# Altium PCB IFAT6.PcbDoc (part 5 of 5)
Units mil, origin at the board's own origin, x right, y up, seen from the top; angles counter-clockwise.
Board outline 8050 x 4300 mil, 6 copper layers (Top Digital, Digital, GND, Analog 1, Analog 2, Bottom Analog), stack 61.068 mil thick; 589 components, 259 nets, 1804 pads, 310 vias.
Unrouted connection lines stored in the file: 819.
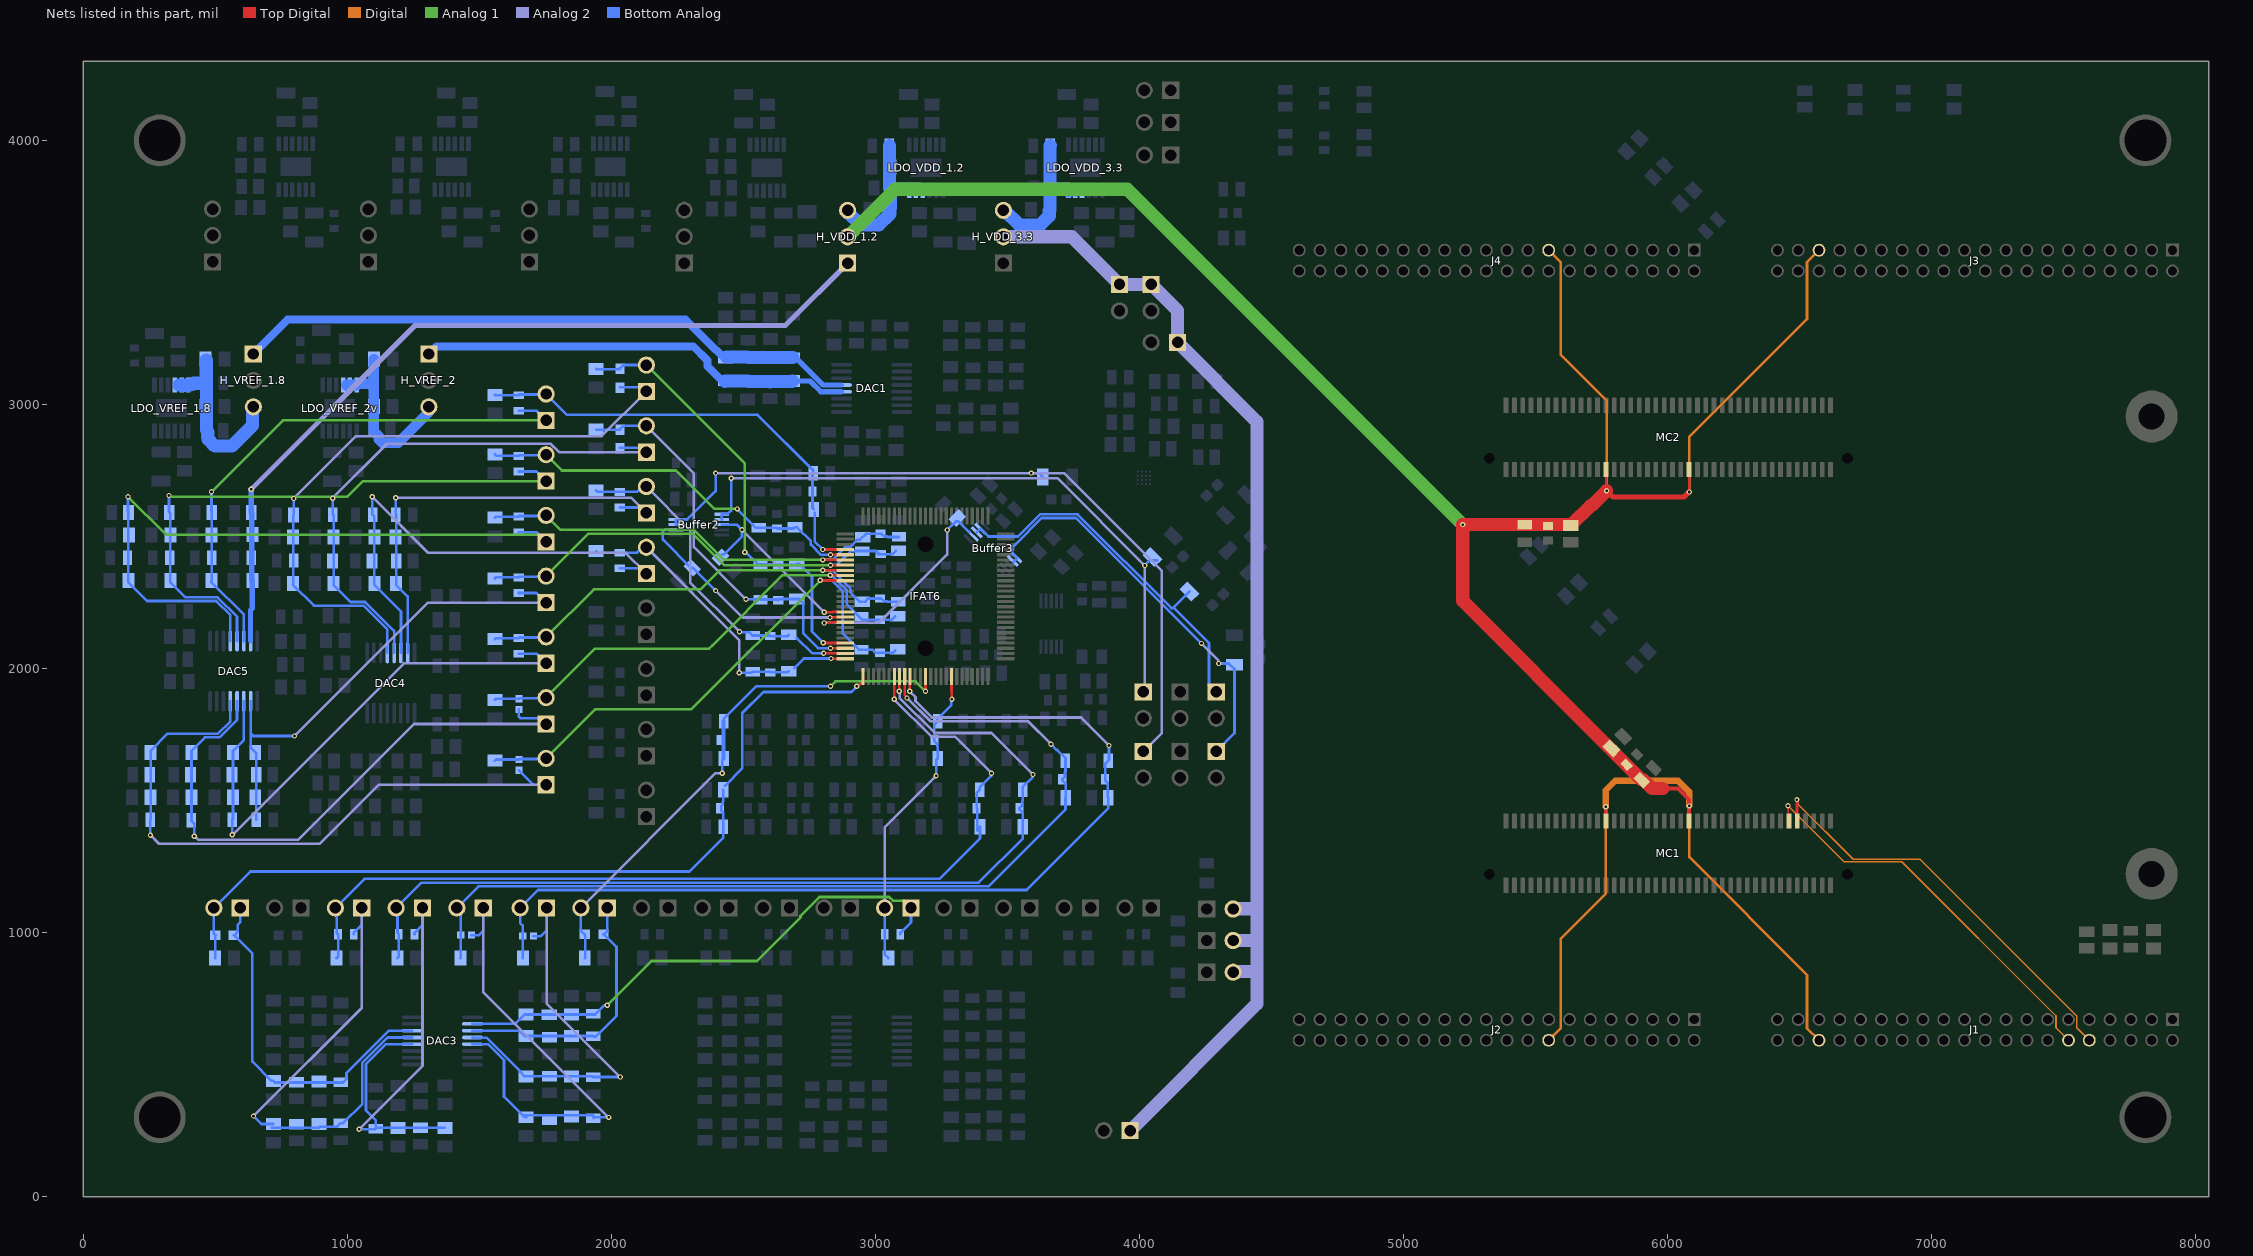
[diagram p9: the nets of this part, all layers, seen from the top]

## Via types
v1: diameter 20, hole 10, Top Digital to Digital, 100 vias
v2: diameter 20, hole 10, Top Digital to Bottom Analog, 81 vias
v3: diameter 20, hole 10, Analog 2 to Bottom Analog, 66 vias
v4: diameter 20, hole 10, Analog 1 to Bottom Analog, 34 vias
v5: diameter 50, hole 28, Top Digital to Bottom Analog, 26 vias
v6: diameter 8, hole 6, Analog 2 to Bottom Analog, 3 vias

## Nets (pads, with @x,y where several pads share a name; then routed paths per layer and width w, separated by ;. In a path a pad name is that pad's centre, name@x,y a point inside that pad or via, vN(x,y) a via of type N, cw(c..) or ccw(c..) an arc to the next point about the centre after c; other vN are vias at no path point) (continued)
V_U_PROBE2_BUFF: Buffer3.1 Buffer3.2 H_V_U2.1 R_ADC3.1 | length 1538.8
  Analog 2 w10: v3(4235,2095) 4298.79,2031.21 4298.79,2021.09 v3(4300.71,2019.18)
  Bottom Analog w10: Buffer3.2@3523.26,2403.26 3537.09,2417.09 3537.09,2419.66 3518.93,2437.83 3518.93,2458.93 3534.24,2474.24 3630,2570 3760,2570 v3(4235,2095) ; H_V_U2.1@4291.03,1686.15 4360,1755.12 4360,1997.24 4338.07,2019.18 v3(4300.71,2019.18)
V_U_PROBE3: Buffer2.3 IFAT6.66 R_V_U3.1 | length 734
  Top Digital w10: v2(2805.99,2212.96) 2837.03,2212.96 2838.39,2214.31 IFAT6.66@2885.87,2214.31
  Analog 2 w10: v3(2495,2525) 2495,2524.48 2805.99,2213.48 v2(2805.99,2212.96)
  Bottom Analog w10: Buffer2.3@2418.23,2544.68 2418.39,2544.84 2475.16,2544.84 v3(2495,2525) 2494.49,2524.49 2494.49,2500 2426.89,2432.4 R_V_U3.1@2420,2432.4
V_U_PROBE3_BUFF: Buffer2.1 Buffer2.2 H_V_U3.1 R_ADC4.1 | length 2426.6
  Analog 2 w10: v3(2454,2721) 3689,2721 v3(4020,2390) 4020,1923.87 H_V_U3.1@4007.52,1911.39
  Bottom Analog w10: Buffer2.2@2418.23,2564.37 Buffer2.1@2418.23,2584.06 2419.13,2584.96 2440.79,2584.96 2454,2598.17 v3(2454,2721) ; v3(4020,2390) 4038.88,2408.88 R_ADC4.1@4067.72,2408.88
VAMP_HIGH: C1_VAMP_HIGH.1 C2_VAMP_HIGH.2 C3_VAMP_HIGH.2 C_VAMP_HIGH.2 H_VAMP_HIGH.2 IFAT6.84 R_VAMP_HIGH.2 | length 3639.5
  Top Digital w10: IFAT6.84@3111.26,1969.23 3111.26,1899.81 3119.91,1891.16 v2(3119.91,1888.46)
  Analog 2 w10: v2(3119.91,1888.46) 3208.13,1800.23 3578.13,1800.23 v3(3665,1713.37)
  Bottom Analog w10: C_VAMP_HIGH.2@1428.36,903.37 1429.76,904.76 1429.76,988.6 R_VAMP_HIGH.2@1428.36,990 ; R_VAMP_HIGH.2@1429.76,990 1429.76,1063.73 1415,1078.49 H_VAMP_HIGH.2@1415,1093.37 1496.83,1175.19 3428.26,1175.19 3720,1466.93 C3_VAMP_HIGH.2@3720,1510.87 ; v3(3665,1713.37) 3686.7,1691.66 3688.65,1691.66 3720,1660.31 3720,1608.5 3718.35,1606.85 3718.35,1591.22 C2_VAMP_HIGH.2@3707.99,1580.87 3707.99,1576.73 3720.59,1564.13 C3_VAMP_HIGH.2@3720.59,1510.87
VAMP_HIGH_DAC: C1_VAMP_HI_DAC.1 C2_VAMP_HI_DAC.1 C3_VAMP_HI_DAC.1 C4_VAMP_HI_DAC.1 DAC3.13 H_VAMP_HIGH.1 R_VAMP_HIGH.1 | length 1849.1
  Analog 2 w10: H_VAMP_HIGH.1@1515,1093.37 1515,775 v3(1990,300)
  Bottom Analog w10: R_VAMP_HIGH.1@1470.24,990 1498.78,990 1515,1006.22 H_VAMP_HIGH.1@1515,1093.37 ; DAC3.13@1474.17,577.2 1533.43,577.2 1593.67,516.96 1593.67,378.4 1667.07,305 1672.97,305 C4_VAMP_HI_DAC.1@1677.46,300.52 ; C4_VAMP_HI_DAC.1@1671.55,308.36 1928.04,308.36 C3_VAMP_HI_DAC.1@1932.46,303.95 ; C3_VAMP_HI_DAC.1@1932.46,297.56 1934.89,300 v3(1990,300)
VAMP_LOW: C1_VAMP_LOW.1 C2_VAMP_LOW.2 C3_VAMP_LOW.2 C_VAMP_LOW.2 H_VAMP_LOW.2 IFAT6.85 R_VAMP_LOW.2 | length 3725.1
  Top Digital w10: v2(3130.26,1913.37) 3130.6,1913.71 3130.6,1962.12 IFAT6.85@3130.95,1962.46
  Analog 2 w10: v2(3130.26,1913.37) 3151.83,1891.79 3151.83,1876.33 3213.93,1814.23 3779.13,1814.23 v3(3885,1708.37)
  Bottom Analog w10: C_VAMP_LOW.2@1665,903.37 1664.52,903.85 1664.52,1026.62 1655,1036.14 H_VAMP_LOW.2@1655,1093.37 1722.83,1161.19 3572.83,1161.19 3882.66,1471.02 C3_VAMP_LOW.2@3882.66,1510.87 3880.41,1513.11 3880.41,1566.38 3870.06,1576.73 3870.06,1638.86 3885,1653.8 v3(3885,1708.37)
VAMP_LOW_DAC: C1_VAMP_LOW_DAC.1 C2_VAMP_LOW_DAC.1 C3_VAMP_LOW_DAC.1 C4_VAMP_LOW_DAC.1 DAC3.12 H_VAMP_LOW.1 R_VAMP_LOW.1 | length 1524.3
  Analog 2 w10: H_VAMP_LOW.1@1755,1093.37 1755,732.09 v3(2033.86,453.23)
  Bottom Analog w10: DAC3.12@1474.17,602.8 1474.9,602.07 1528.36,602.07 1653.91,476.52 1653.91,473.07 1671.55,455.43 1929.31,455.43 C3_VAMP_LOW_DAC.1@1932.46,452.28 1933.4,453.23 v3(2033.86,453.23) ; R_VAMP_LOW.1@1705,986.54 1733.54,986.54 1755,1008 H_VAMP_LOW.1@1755,1093.37
VBIAS: C1_VBIAS.1 C2_VBIAS.2 C3_VBIAS.2 C_VBIAS.2 H_VBIAS.2 IFAT6.74 R_VBIAS.1 | length 1301.1
  Top Digital w10: v2(2804.07,2058.12) 2804.72,2057.47 2885.22,2057.47 IFAT6.74@2885.87,2056.83
  Analog 2 w10: H_VBIAS.2@2132.79,2689.17 2298.61,2523.35 2298.61,2326.23 v3(2485.36,2139.48)
  Bottom Analog w10: C_VBIAS.2@1942.79,2674.61 1948.7,2668.7 2097.45,2668.7 2117.92,2689.17 H_VBIAS.2@2132.79,2689.17 ; v3(2485.36,2139.48) 2487.01,2137.83 2522.09,2137.83 C1_VBIAS.1@2535,2124.92 2599.94,2124.92 C2_VBIAS.2@2602.5,2122.36 2667.78,2122.36 C3_VBIAS.2@2672.5,2127.09 ; 2702.26,2116.41 2760.55,2058.12 v2(2804.07,2058.12)
VBIAS_DAC: C1_VBIAS_DAC.1 C2_VBIAS_DAC.1 C3_VBIAS_DAC.1 C4_VBIAS_DAC.1 DAC4.7 H_VBIAS.1 R_VBIAS.2 | length 1687.2
  Analog 2 w10: v3(1184.3,2646.83) 2075.14,2646.83 H_VBIAS.1@2132.79,2589.17
  Bottom Analog w10: v3(1184.3,2646.83) 1184.3,2582.67 C3_VBIAS_DAC.1@1184.13,2582.5 1185.16,2581.48 1185.16,2316.59 1228.98,2272.78 DAC4.7@1228.98,2059.17 ; R_VBIAS.2@2032.79,2609.65 2112.32,2609.65 H_VBIAS.1@2132.79,2589.17
VBIAS_SF: C1_VBIAS_SF.1 C2_VBIAS_SF.2 C3_VBIAS_SF.2 C_VBIAS_SF.2 H_VBIAS_SF.2 IFAT6.83 R_VBIAS_SF.1 | length 3653.7
  Top Digital w10: v2(3090.48,1913.37) 3091.03,1913.91 3091.03,1968.69 IFAT6.83@3091.57,1969.23
  Analog 2 w10: v2(3090.48,1913.37) 3092.4,1911.45 3092.4,1889.1 3225.93,1755.56 3439.94,1755.56 v3(3596.99,1598.52)
  Bottom Analog w10: C_VBIAS_SF.2@1189.57,903.37 1195.47,909.27 R_VBIAS_SF.1@1195.47,993.37 1190.24,998.6 1190.24,1088.13 H_VBIAS_SF.2@1185,1093.37 1280.83,1189.19 3390.71,1189.19 3558.44,1356.93 3558.44,1454.13 3545.84,1466.73 C2_VBIAS_SF.2@3545.84,1470.87 3556.2,1481.22 3556.2,1496.85 3557.85,1498.5 3557.85,1550.31 3595.08,1587.54 3595.08,1596.61 v3(3596.99,1598.52)
VBIAS_SF_DAC: C1_VBIAS_SF_DAC.1 C2_VBIAS_SF_DAC.1 C3_VBIAS_SF_DAC.1 C4_VBIAS_SF_DAC.1 DAC3.4 H_VBIAS_SF.1 R_VBIAS_SF.2 | length 1843.1
  Analog 2 w10: v3(1045,255) 1285,495 H_VBIAS_SF.1@1285,1093.37
  Bottom Analog w10: v3(1045,255) 1105.22,255 C3_VBIAS_SF_DAC.1@1107.5,257.28 ; DAC3.4@1245.83,577.2 1146.67,577.2 1071.14,501.67 1071.14,325.92 1107.5,289.56 C3_VBIAS_SF_DAC.1@1107.5,257.28 ; R_VBIAS_SF.2@1254.53,993.37 1254.53,998.29 1285,1028.76 H_VBIAS_SF.1@1285,1093.37 ; C4_VBIAS_SF_DAC.1@1370,260.43 1110.65,260.43 C3_VBIAS_SF_DAC.1@1107.5,257.28
VBIAS_UNITYBUFFER: C1_VBIAS_BUFF.1 C2_VBIAS_BUFF.2 C3_VBIAS_BUFF.2 C_VBIAS_BUFF.2 H_VBIAS_BUFF.2 IFAT6.82 R_VBIAS_BUFF.1 | length 3606.4
  Top Digital w10: v2(3071.08,1883.37) 3071.48,1883.77 3071.48,1968.83 IFAT6.82@3071.89,1969.23
  Analog 2 w10: v2(3071.08,1883.37) 3212.88,1741.56 3301.8,1741.56 v3(3440,1603.37)
  Bottom Analog w10: C_VBIAS_BUFF.2@959.57,903.37 965.47,909.27 R_VBIAS_BUFF.1@965.47,993.37 960.24,998.6 960.24,1088.13 H_VBIAS_BUFF.2@955,1093.37 1064.83,1203.19 3242.64,1203.19 3396.38,1356.93 C3_VBIAS_BUFF.2@3396.38,1400.87 ; C3_VBIAS_BUFF.2@3389.34,1384.97 3385.77,1388.53 3385.77,1468.87 C2_VBIAS_BUFF.2@3383.78,1470.87 3383.78,1528.86 C1_VBIAS_BUFF.1@3395.78,1540.87 3395.78,1550.31 3438.09,1592.62 3438.09,1601.45 v3(3440,1603.37)
VBIAS_UNITYBUFFER_DAC: C1_VB_BUFF_DAC.1 C2_VB_BUFF_DAC.1 C3_VB_BUFF_DAC.1 C4_VB_BUFF_DAC.1 DAC3.5 H_VBIAS_BUFF.1 R_VBIAS_BUFF.2 | length 1923.3
  Analog 2 w10: v3(645,305) 1055,715 H_VBIAS_BUFF.1@1055,1093.37
  Bottom Analog w10: v3(645,305) 675,275 720.01,275 C4_VB_BUFF_DAC.1@720.09,274.93 ; C4_VB_BUFF_DAC.1@714.18,261.24 892.55,261.24 896.55,265.24 962.18,265.24 C3_VB_BUFF_DAC.1@975.09,278.15 984.54,278.15 1057.14,350.75 1057.14,507.47 1152.46,602.8 DAC3.5@1245.83,602.8 ; R_VBIAS_BUFF.2@1024.53,993.37 1024.53,998.29 1055,1028.76 H_VBIAS_BUFF.1@1055,1093.37
VBP: C1_VBP.1 C2_VBP.2 C3_VBP.2 C_VBP.2 H_VBP.2 IFAT6.56 R_VBP.1 | length 1734.3
  Top Digital w10: v2(2801.06,2411.27) 2801.11,2411.22 IFAT6.56@2885.87,2411.16
  Analog 1 w10: H_VBP.2@1753.36,2579.65 1808.1,2524.9 2313.72,2524.9 2427.35,2411.27 v2(2801.06,2411.27)
  Bottom Analog w10: C_VBP.2@1559.27,2571.09 1563.37,2575.18 R_VBP.1@1649.27,2575.18 1651.51,2577.42 1751.12,2577.42 H_VBP.2@1753.36,2579.65 ; v2(2801.06,2411.27) 2837.52,2411.27 2885.15,2458.9 2904.53,2458.9 2933.33,2487.7 2942.18,2487.7 2964.62,2510.13 3023.65,2510.13 3034.01,2499.78 3045.51,2499.78 3047.16,2498.12 C1_VBP.1@3089.52,2498.12
VBP_DAC: C1_VBP_DAC.1 C2_VBP_DAC.1 C3_VBP_DAC.1 C4_VBP_DAC.1 DAC5.4 H_VBP.1 R_VBP.2 | length 2632.9
  Analog 1 w10: v4(170,2650) 312.87,2507.13 1725.88,2507.13 H_VBP.1@1753.36,2479.65
  Bottom Analog w10: v4(170,2650) 170,2592.42 C1_VBP_DAC.1@171.5,2590.93 171.1,2590.53 171.1,2326.59 242.13,2255.56 503.81,2255.56 557.2,2202.17 DAC5.4@557.2,2104.17 ; R_VBP.2@1649.27,2516.13 1716.88,2516.13 H_VBP.1@1753.36,2479.65
VCCO_MC1: C1_C_VCCO1_FPGA.1 C1_C_VCCO2_FPGA.1 C2_C_VCCO1_FPGA.2 C2_C_VCCO2_FPGA.2 C3_C_VCCO1_FPGA.2 C3_C_VCCO2_FPGA.2 H_VDD_1.2.2 J1.36 J2.16 J3.35 J4.15 MC1.36 MC1.56 MC2.35 MC2.55 | length 10229.1
  Top Digital w10: MC2.55@5766.72,2753.99 5768.03,2752.68 5768.03,2674.42 v1@5769.35,2673.1 ; MC2.35@6081.68,2753.99 6081.82,2753.85 6081.82,2668.66 v1(6081.96,2668.51)
  Top Digital w15: v1(5765.96,1476.81) 5766.34,1476.43 MC1.56@5766.34,1423.7 ; 5982.56,1545 6039.37,1545 6081.45,1502.92 6081.45,1480.51 v1(6082.41,1479.56) ; MC1.36@6082.04,1422.18 v1@6082.04,1477.31
  Top Digital w20: v1(5769.35,2673.34) 5793.35,2649.34 6062.79,2649.34 v1(6081.96,2668.51)
  Top Digital w50: C1_C_VCCO2_FPGA.1@5457.64,2545 v2(5224.25,2545) 5224.25,2255.75 C3_C_VCCO1_FPGA.2@5779.72,1700.28 ; C1_C_VCCO2_FPGA.1@5462.36,2545 C3_C_VCCO2_FPGA.2@5629.85,2545 ; C3_C_VCCO2_FPGA.2@5637.72,2546.28 5708.43,2616.99 5713,2616.99 v1(5769.35,2673.34) ; C3_C_VCCO1_FPGA.2@5787.78,1692.22 C1_C_VCCO1_FPGA.1@5900.83,1579.17 ; C1_C_VCCO1_FPGA.1@5907.51,1579.17 5941.68,1545 5982.56,1545
  Analog 1 w50: H_VDD_1.2.2@2895,3635 3075,3815 3760.15,3815 3954.25,3815 v2(5224.25,2545)
  Digital w10: J2.16@5550.06,592.14 5595.41,637.49 5595.41,975.77 5765.96,1146.32 v1@5765.96,1472.81 ; J4.15@5550.06,3584.27 5595.41,3538.92 5595.41,3189.2 5769.35,3015.27 v1@5769.35,2673.1 ; v1@6082.41,1474.94 6082.41,1285.38 6528.33,839.46 6528.33,637.49 6571.52,594.31 J1.36@6574.13,594.31 ; v1@6083.87,2667.02 6081.96,2668.94 6081.96,2876.64 6528.33,3323.01 6528.33,3538.92 J3.35@6573.68,3584.27
  Digital w25: v1(5765.96,1476.81) 5765.96,1538.74 5802.22,1575 6040,1575 6082.41,1532.59 v1(6082.41,1479.56)
VDD3.3: H_PWR_ADC.1 H_PWR_BUFF.1 H_PWR_DAC1.1 H_PWR_DAC.1 H_SHDN1.2 H_SHDN2.2 H_SHDN3.2 H_VDD_3.3.2 | length 4480
  Analog 2 w50: H_VDD_3.3.2@3485,3635 3743.98,3635 H_PWR_BUFF.1@3924.52,3454.46 H_PWR_ADC.1@4044.52,3454.46 4144.52,3354.46 H_PWR_DAC1.1@4144.52,3235 4445,2934.52 4445,1090 ; H_PWR_DAC.1@3965,250 4445,730 4445,865 ; H_SHDN1.2@4355.05,849.83 4357.91,852.69 4432.69,852.69 4445,865 ; H_SHDN3.2@4355.05,969.83 4355.22,970 4445,970 ; H_SHDN2.2@4355.05,1089.13 4355.91,1090 4445,1090 ; 4445,865 4445,970 ; 4445,970 4445,1090
VDD_1.2_DAC: C1_VDD_1.2_DAC.1 C2_VDD_1.2_DAC.1 C3_VDD_1.2_DAC.1 C4_VDD_1.2_DAC.1 DAC5.7 H_VDD_1.2.1 | length 3204.8
  Analog 2 w20: v3(636.38,2679) 1256.38,3299 2659,3299 H_VDD_1.2.1@2903.53,3543.52
  Bottom Analog w20: DAC5.7@633.98,2104.17 633.98,2220.52 640.43,2226.98 C4_VDD_1.2_DAC.1@640.43,2332.5 638.86,2334.07 638.86,2418.68 638.46,2419.07 638.86,2419.47 638.86,2507.11 638.46,2507.5 638.46,2588.96 C1_VDD_1.2_DAC.1@636.5,2590.93 636.5,2678.88 v3(636.38,2679)
VDD_1.2_LDO: C1_U_Capx45.1 C2_U_Capx45.1 C3_U_Capx45.1 C4_U_Capx45.1 H_VDD_1.2.3 LDO_VDD_1.2.10 LDO_VDD_1.2.11 LDO_VDD_1.2.12 | length 562.2
  Bottom Analog w50: H_VDD_1.2.3@2895,3735.45 2897.86,3732.58 2897.86,3726.06 2943.96,3679.96 3013.26,3679.96 3054.32,3721.02 C4_U_Capx45.1@3054.32,3736.71 ; C1_U_Capx45.1@3053.53,3819.32 C3_U_Capx45.1@3053.53,3980.26 ; C4_U_Capx45.1@3057.22,3743.8 C1_U_Capx45.1@3057.22,3815.38 ; C1_U_Capx45.1@3057.75,3819.32 3061.68,3815.38 3166.07,3815.38 3166.68,3814.76
VDD_3.3_LDO: C1_U_Capx46.1 C2_U_Capx46.1 C3_U_Capx46.1 C4_U_Capx46.1 H_VDD_3.3.3 LDO_VDD_3.3.10 LDO_VDD_3.3.11 LDO_VDD_3.3.12 | length 566.9
  Bottom Analog w50: H_VDD_3.3.3@3485,3735 3489.05,3735 3544.09,3679.96 3624.73,3679.96 3658.59,3713.81 C4_U_Capx46.1@3658.59,3733.96 ; C4_U_Capx46.1@3661.93,3737.29 C2_U_Capx46.1@3661.93,3899.76 ; C2_U_Capx46.1@3661.98,3903.31 3661.98,3979.33 C3_U_Capx46.1@3662.9,3980.26 ; C1_U_Capx46.1@3663.61,3819.32 3667.55,3815.38 LDO_VDD_3.3.12@3731.64,3815.38 ; LDO_VDD_3.3.12@3731.64,3809.4 3734.69,3812.45 LDO_VDD_3.3.11@3757.23,3812.45
VINPUT_CURRENT_BIAS: C1_VIN_IBIAS.1 C2_VIN_IBIAS.2 C3_VIN_IBIAS.2 C_VIN_IBIAS.2 H_VIN_IBIAS.2 IFAT6.58 R_VIN_IBIAS.1 | length 1776.5
  Top Digital w10: v2(2801.06,2371.9) 2801.11,2371.85 IFAT6.58@2885.87,2371.79
  Analog 1 w10: H_VIN_IBIAS.2@1753.36,2119.65 1933.71,2300 2337.51,2300 2409.41,2371.9 v2(2801.06,2371.9)
  Bottom Analog w10: C_VIN_IBIAS.2@1559.27,2111.09 1563.37,2115.18 R_VIN_IBIAS.1@1649.27,2115.18 1651.51,2117.42 H_VIN_IBIAS.2@1751.12,2117.42 ; v2(2801.06,2371.9) 2837.08,2371.9 2905.14,2303.84 2905.14,2288.64 2941.14,2252.64 C3_VIN_IBIAS.2@2950,2252.64 ; C3_VIN_IBIAS.2@2960,2252.64 2972.6,2265.24 3021.63,2265.24 3031.99,2254.88 3043.48,2254.88 3045.14,2253.23 C1_VIN_IBIAS.1@3087.5,2253.23
VINPUT_CURRENT_BIAS_DAC: C1_IN_IBIAS_DAC.1 C2_IN_IBIAS_DAC.1 C3_IN_IBIAS_DAC.1 C4_IN_IBIAS_DAC.1 DAC5.11 H_VIN_IBIAS.1 R_VIN_IBIAS.2 | length 2101
  Analog 2 w10: v3(565,1370) 1214.65,2019.65 H_VIN_IBIAS.1@1753.36,2019.65
  Bottom Analog w10: v3(565,1370) 565,1426.73 C3_IN_IBIAS_DAC.1@564.28,1427.46 567.43,1430.61 567.43,1688.36 608.39,1729.32 DAC5.11@608.39,1875.83 ; R_VIN_IBIAS.2@1649.27,2056.13 1716.88,2056.13 H_VIN_IBIAS.1@1753.36,2019.65
VMEM_DISTAL_PROBE: Buffer3.7 IFAT6.68 R_VM_DISTAL.1 | length 859.5
  Top Digital w10: v2(2805.99,2172.32) 2806.57,2172.89 2835.39,2172.89 2837.44,2174.94 IFAT6.68@2885.87,2174.94
  Analog 2 w10: v2(2805.99,2172.32) 2806.57,2172.89 3012.89,2172.89 3271.94,2431.94 3271.94,2520.87 v3@3273.86,2522.78
  Bottom Analog w10: v3(3271.94,2524.43) 3304.85,2557.33 3314.62,2557.33 Buffer3.7@3354.99,2516.97
VMEM_DISTAL_PROBE_BUFF: Buffer3.8 Buffer3.9 H_VM_DISTAL.1 R_ADC5.2 | length 1423.8
  Bottom Analog w10: Buffer3.8@3383.91,2515.89 Buffer3.9@3397.83,2529.8 3427.92,2499.71 3539.91,2499.71 3624.2,2584 3765.8,2584 4120.9,2228.9 4130.9,2228.9 ; R_ADC5.2@4189.47,2291.54 4130.9,2232.97 4130.9,2228.9 ; H_VM_DISTAL.1@4295.17,1907.24 4263.55,1938.87 4263.55,2096.25 4130.9,2228.9
VMEM_PROXIMAL_PROBE: Buffer2.7 IFAT6.67 R_VM_PROXIMAL.1 | length 896.5
  Top Digital w10: v2(2828.54,2192.92) 2829.4,2193.77 2885.01,2193.77 IFAT6.67@2885.87,2194.63
  Analog 2 w10: v3(2395,2295) 2497.08,2192.92 v2(2828.54,2192.92)
  Bottom Analog w10: Buffer2.7@2245,2525 2201.76,2525 2195,2518.24 2195,2488.13 2301.68,2381.45 R_VM_PROXIMAL.1@2306.45,2381.45 ; R_VM_PROXIMAL.1@2306.45,2380.82 2309.18,2380.82 v3(2395,2295)
VMEM_PROXIMAL_PROBE_BUFF: Buffer2.8 Buffer2.9 H_VM_PROXIMAL.1 R_ADC6.2 | length 2888.7
  Analog 2 w10: v3(2395,2740) 3715,2740 4085,2370 4085,1756.36 H_VM_PROXIMAL.1@4014.79,1686.15
  Bottom Analog w10: Buffer2.8@2245,2544.68 Buffer2.9@2245,2564.37 2287.56,2564.37 2395,2671.81 v3(2395,2740) ; v3(3590,2740) 3618.9,2740 R_ADC6.2@3633.9,2725
VPDN: C1_VPDN.1 C2_VPDN.2 C3_VPDN.2 C_VPDN.2 H_VPDN.2 IFAT6.75 R_VPDN.1 | length 1221.7
  Top Digital w10: v2(2832.06,2037.83) 2832.4,2037.49 2885.52,2037.49 IFAT6.75@2885.87,2037.15
  Analog 2 w10: H_VPDN.2@2132.79,2459.17 2485.03,2106.93 v3(2485.03,1983.88)
  Bottom Analog w10: C_VPDN.2@1942.79,2444.61 1948.7,2438.7 2097.45,2438.7 2117.92,2459.17 H_VPDN.2@2132.79,2459.17 ; v3(2485.03,1983.88) 2531.1,1983.88 C1_VPDN.1@2535.03,1987.82 2599.97,1987.82 C2_VPDN.2@2602.53,1985.26 2667.81,1985.26 C3_VPDN.2@2672.53,1989.98 ; C3_VPDN.2@2693.49,2002.09 2729.24,2037.83 v2(2832.06,2037.83)
VPDN_DAC: C1_VPDN_DAC.1 C2_VPDN_DAC.1 C3_VPDN_DAC.1 C4_VPDN_DAC.1 DAC4.6 H_VPDN.1 R_VPDN.2 | length 1902.5
  Analog 2 w10: v3(1095,2650) 1306.83,2438.17 2053.8,2438.17 H_VPDN.1@2132.79,2359.17
  Bottom Analog w10: v3(1095,2650) 1095,2583.37 1102.64,2575.73 1102.64,2316.59 1203.39,2215.85 DAC4.6@1203.39,2059.17 ; R_VPDN.2@2032.79,2379.65 2112.32,2379.65 H_VPDN.1@2132.79,2359.17
Vpup_arb: C1_VpupArb.1 C2_VpupArb.2 C3_VpupArb.2 C_Vpup_arb.2 H_Vpup_arb.2 IFAT6.54 R_Vpup_arb.1 | length 1715.7
  Top Digital w10: v2(2801.06,2450.64) v2(2801.06,2450.64) IFAT6.54@2885.92,2450.59
  Bottom Analog w10: C_Vpup_arb.2@1559.27,3036.52 1560.61,3035.18 R_Vpup_arb.1@1649.27,3035.18 1651.51,3037.42 1751.12,3037.42 H_Vpup_arb.2@1753.36,3039.65 1832.35,2960.66 2553.64,2960.66 2764.84,2749.45 C1_VpupArb.1@2764.84,2740 2762.28,2737.44 2762.28,2607.22 C3_VpupArb.2@2767.01,2602.5 ; C3_VpupArb.2@2770,2590.41 2770,2481.7 v2(2801.06,2450.64)
Vpup_arb_DAC: C1_Vpup_arb_DAC.1 C2_Vpup_arb_DAC.1 C3_Vpup_arb_DAC.1 C4_Vpup_arb_DAC.1 DAC5.6 H_Vpup_arb.1 R_Vpup_arb.2 | length 2114.1
  Analog 1 w10: v4(486.02,2669) 756.67,2939.65 H_Vpup_arb.1@1753.36,2939.65
  Bottom Analog w10: v4(486.02,2669) 486.02,2591.4 C1_Vpup_arb_DAC.1@486.5,2590.93 ; C1_Vpup_arb_DAC.1@486.5,2590 486.5,2333.56 C4_Vpup_arb_DAC.1@485.43,2332.5 485.43,2326.59 608.39,2203.64 DAC5.6@608.39,2104.17 ; R_Vpup_arb.2@1649.27,2976.13 1716.88,2976.13 H_Vpup_arb.1@1753.36,2939.65
VpupReq: C1_VpupReq.1 C2_VpupReq.2 C3_VpupReq.2 C_VpupReq.2 H_VpupReq.2 IFAT6.55 R_VpupReq.1 | length 1497.6
  Top Digital w10: v2(2830.11,2430.74) 2830.17,2430.79 2885.81,2430.79 IFAT6.55@2885.87,2430.85
  Analog 1 w10: H_VpupReq.2@1753.36,2809.65 1813,2750 2244.8,2750 2390.42,2604.38 v4(2476.72,2604.38)
  Bottom Analog w10: C_VpupReq.2@1559.27,2811.09 1565.18,2805.18 R_VpupReq.1@1649.27,2805.18 1651.51,2807.42 1751.12,2807.42 H_VpupReq.2@1753.36,2809.65 ; v4(2476.72,2604.38) 2476.72,2604.2 2548.42,2532.5 2625.31,2532.5 C2_VpupReq.2@2627.87,2529.94 ; C2_VpupReq.2@2630.43,2529.94 2690.65,2529.94 C3_VpupReq.2@2695.37,2534.67 2704.23,2534.67 2756,2482.9 2756,2468.83 2794.09,2430.74 v2(2830.11,2430.74)
VpupReq_DAC: C1_VpupReq_DAC.1 C2_VpupReq_DAC.1 C3_VpupReq_DAC.1 C4_VpupReq_DAC.1 DAC5.5 H_VpupReq.1 R_VpupReq.2 | length 2303.5
  Analog 1 w10: v4(325,2655) 327.71,2655 332.71,2650 999.47,2650 1059.12,2709.65 H_VpupReq.1@1753.36,2709.65
  Bottom Analog w10: v4(325,2655) 325,2592.42 330.43,2586.99 330.43,2326.59 387.46,2269.56 509.61,2269.56 582.8,2196.38 DAC5.5@582.8,2104.17 ; R_VpupReq.2@1649.27,2746.13 1716.88,2746.13 H_VpupReq.1@1753.36,2709.65
VREF_1.8_DAC: C1_VREF_1.8_DAC.1 C2_VREF_1.8_DAC.1 C3_VREF_1.8_DAC.1 C4_VREF_1.8_DAC.1 DAC1.5 H_VREF_1.8.1 | length 2371.4
  Bottom Analog w20: C3_VREF_1.8_DAC.1@2687.5,3178.32 2697.17,3178.32 2801.91,3073.58 DAC1.5@2871.85,3073.58
  Bottom Analog w30: H_VREF_1.8.1@644.37,3191.01 774.26,3320.89 2281.2,3320.89 2396.09,3206 2397.37,3206 2418.96,3184.41 2424.86,3184.41 C4_VREF_1.8_DAC.1@2432.5,3176.77
  Bottom Analog w50: C4_VREF_1.8_DAC.1@2436.04,3179.13 C1_VREF_1.8_DAC.1@2513.56,3179.13 ; C1_VREF_1.8_DAC.1@2519.89,3178.32 C2_VREF_1.8_DAC.1@2600.95,3178.32 ; C2_VREF_1.8_DAC.1@2604.05,3178.32 C3_VREF_1.8_DAC.1@2687.5,3178.32
VREF_1.8_LDO: C1_U_Capx47.1 C2_U_Capx47.1 C3_U_Capx47.1 C4_U_Capx47.1 H_VREF_1.8.3 LDO_VREF_1.8.10 LDO_VREF_1.8.11 LDO_VREF_1.8.12 | length 646.8
  Bottom Analog w50: 362.46,3073.09 LDO_VREF_1.8.11@372.76,3073.09 ; LDO_VREF_1.8.11@372.81,3073.03 LDO_VREF_1.8.12@398.29,3073.03 ; 414.49,3076.14 418.42,3080.08 C3_U_Capx47.1@458.62,3080.08 ; C3_U_Capx47.1@465.78,3084.8 C4_U_Capx47.1@465.78,3167.95 ; C1_U_Capx47.1@466.87,2903.94 C2_U_Capx47.1@466.87,2989.51 ; C2_U_Capx47.1@466.87,2995.37 C3_U_Capx47.1@466.87,3081.28 ; C1_U_Capx47.1@472.8,2896.06 472.8,2868.04 498.78,2842.06 562.96,2842.06 641.51,2920.61 641.51,2987.12 H_VREF_1.8.3@644.37,2989.99
VREF_2_DAC: C1_VREF_2_DAC.1 C2_VREF_2_DAC.1 C3_VREF_2_DAC.1 C4_VREF_2_DAC.1 DAC1.4 H_VREF_2.1 | length 1662.6
  Bottom Analog w20: C4_VREF_2_DAC.1@2685.67,3089.15 2752.4,3089.15 2793.56,3047.99 DAC1.4@2871.85,3047.99
  Bottom Analog w30: H_VREF_2.1@1309.08,3191.01 1338.08,3220 2310.44,3220 2364.37,3166.07 2364.37,3144.66 2418.31,3090.72 2427.76,3090.72 C3_VREF_2_DAC.1@2430.67,3087.81
  Bottom Analog w50: C3_VREF_2_DAC.1@2430.67,3087.81 2431.34,3088.48 2515,3088.48 C2_VREF_2_DAC.1@2515.67,3089.15 2517.42,3087.4 2598.92,3087.4 C1_VREF_2_DAC.1@2600.67,3085.64 2602.42,3087.4 2683.92,3087.4 C4_VREF_2_DAC.1@2685.67,3089.15
VREF_2_LDO: C1_U_Capx48.1 C2_U_Capx48.1 C3_U_Capx48.1 C4_U_Capx48.1 H_VREF_2.3 LDO_VREF_2v.10 LDO_VREF_2v.11 LDO_VREF_2v.12 | length 658.3
  Bottom Analog w40: 996.58,3073.58 LDO_VREF_2v.12@1035.56,3073.58 ; 1046.7,3077.77 C3_U_Capx48.1@1096.9,3077.77 ; C3_U_Capx48.1@1098.99,3082.44 1100.28,3083.74 1100.28,3170.2 C4_U_Capx48.1@1101.58,3171.5 ; C3_U_Capx48.1@1099.91,3075.08 1099.91,2992.58 1099.85,2992.52 1099.85,2907.52 C1_U_Capx48.1@1099.77,2907.44 1099.85,2907.36 1099.85,2898.5 1118.69,2879.67 1118.69,2868.56 1132.75,2854.5 1192.79,2854.5 1304.3,2966.02 1304.3,2986.23 H_VREF_2.3@1309.08,2991.01
VREFR: C1_VREFR.1 C2_VREFR.2 C3_VREFR.2 C_VREFR.2 H_VEFR.2 IFAT6.93 R_VREFR.1 | length 1188.6
  Top Digital w10: IFAT6.93@3288.43,1969.23 3288.43,1915.66 3290,1914.08 v2(3290,1883.37)
  Analog 2 w10: H_VEFR.2@3035,1093.37 3035,1398.37 v3(3230,1593.37)
  Bottom Analog w10: H_VEFR.2@3035,1093.37 3035.24,1093.13 3035.24,993.6 R_VREFR.1@3035.47,993.37 3035.47,917.46 C_VREFR.2@3049.57,903.37 ; v3(3230,1593.37) 3230,1653.26 C3_VREFR.2@3236.17,1659.43 3236.17,1703.37 3233.92,1705.61 3233.92,1714.94 3223.57,1725.3 3223.57,1787.42 C1_VREFR.1@3235.58,1799.43 3235.58,1808.88 3288.09,1861.39 3288.09,1881.45 v2(3290,1883.37)
VREFR_DAC: C1_VREFR_DAC.1 C2_VREFR_DAC.1 C3_VREFR_DAC.1 C4_VREFR_DAC.1 DAC3.10 H_VEFR.1 R_VREFR.2 | length 1997.7
  Analog 1 w10: v4(1985,725) 2152.04,892.04 2551.36,892.04 2716.48,1057.16 2716.48,1063.51 2787.82,1134.85 3052.18,1134.85 3066.18,1120.85 3107.52,1120.85 H_VEFR.1@3135,1093.37
  Bottom Analog w10: DAC3.10@1474.17,653.98 1636.03,653.98 1671.55,689.5 1938.67,689.5 1972.26,723.09 1983.09,723.09 v4(1985,725) ; R_VREFR.2@3094.53,993.37 3094.53,998.29 3135,1038.76 H_VEFR.1@3135,1093.37
VRESET: C1_VRESET.1 C2_VRESET.2 C3_VRESET.2 C_VRESET.2 H_VRESET.2 IFAT6.73 R_VRESET.2 | length 1534.2
  Top Digital w10: v2(2830,2076.47) IFAT6.73@2885.85,2076.49
  Analog 2 w10: H_VRESET.2@2132.79,2919.17 2312.61,2739.35 2312.61,2459.56 v3(2510.23,2261.94)
  Bottom Analog w10: C_VRESET.2@1942.79,2904.61 R_VRESET.2@2032.79,2904.61 2032.79,2906.46 2045.51,2919.17 H_VRESET.2@2132.79,2919.17 ; v3(2510.23,2261.94) 2564.14,2261.94 C1_VRESET.1@2565,2261.08 2629.94,2261.08 C2_VRESET.2@2632.5,2258.52 2637.22,2263.25 2711.36,2263.25 2726.44,2248.17 2726.44,2133.56 2782.88,2077.12 2829.36,2077.12 v2(2830,2076.47)
VRESET_DAC: C1_VRESET_DAC.1 C2_VRESET_DAC.1 C3_VRESET_DAC.1 C4_VRESET_DAC.1 DAC4.5 H_VRESET.1 R_VRESET.1 | length 2107.5
  Analog 2 w10: v3(945,2645) 1151.13,2851.13 1770.54,2851.13 1802.49,2819.17 H_VRESET.1@2132.79,2819.17
  Bottom Analog w10: v3(945,2645) 945,2582.72 948.37,2579.35 948.37,2316.59 1013.02,2251.94 1067.62,2251.94 1177.8,2141.76 DAC4.5@1177.8,2059.17 ; R_VRESET.1@2032.79,2835.71 2116.26,2835.71 H_VRESET.1@2132.79,2819.17
VSPIKE: C1_VSPIKE.1 C2_VSPIKE.2 C3_VSPIKE.2 C_VSPIKE.2 H_VSPIKE.2 IFAT6.76 R_VSPIKE.2 | length 3253
  Top Digital w10: v2(2930,1932.37) 2932.71,1932.37 2942.09,1941.75 2952.87,1941.75 2953.78,1942.66 IFAT6.76@2953.78,1969.23
  Bottom Analog w10: C_VSPIKE.2@499.57,903.37 499.57,987.75 501.54,989.72 495,996.25 H_VSPIKE.2@495,1093.37 632.83,1231.19 2296.08,1231.19 2423.39,1358.5 2423.39,1454.72 2416.56,1461.55 2416.56,1480.18 2421.74,1485.35 2421.74,1494.68 2423.98,1496.93 C3_VSPIKE.2@2423.98,1540.87 ; C3_VSPIKE.2@2430,1555.74 2495.83,1621.57 2495.83,1830.52 2576.48,1911.17 2908.8,1911.17 v2(2930,1932.37)
VSPIKE_DAC: C1_VSPIKE_DAC.1 C2_VSPIKE_DAC.1 C3_VSPIKE_DAC.1 C4_VSPIKE_DAC.1 DAC3.6 H_VSPIKE.1 R_VSPIKE.1 | length 1353.7
  Bottom Analog w10: R_VSPIKE.1@570.43,989.72 R_VSPIKE.1@572.4,989.72 ; H_VSPIKE.1@595,1093.37 595,1039.1 585.12,1029.22 585.12,1002.43 R_VSPIKE.1@572.4,989.72 ; DAC3.6@1245.83,628.39 1158.26,628.39 997.45,467.58 997.45,445.2 984.54,432.28 725.99,432.28 C4_VSPIKE_DAC.1@720.04,438.23 714.14,438.23 640.81,511.56 640.81,921.31 R_VSPIKE.1@572.4,989.72
VSS_SYN_DAC: C1_VSS_SYN_DAC.1 C2_VSS_SYN_DAC.1 C3_VSS_SYN_DAC.1 C4_VSS_SYN_DAC.1 DAC3.11 H_VSS_SYN.1 R_VSS_SYN.1 | length 1023
  Bottom Analog w10: DAC3.11@1474.17,628.39 1651.39,628.39 1671.55,608.23 1930.68,608.23 C3_VSS_SYN_DAC.1@1932.46,606.46 1941.91,606.46 2020,684.55 2020,941.83 2020,945.77 1972.4,993.37 R_VSS_SYN.1@1970.43,993.37 ; R_VSS_SYN.1@1972.28,993.37 1985,1006.08 H_VSS_SYN.1@1985,1093.37
VSS_SYNAPSE: C1_VSS_SYN.1 C2_VSS_SYN.2 C3_VSS_SYN.2 C_VSS_SYN.2 H_VSS_SYN.2 IFAT6.88 R_VSS_SYN.2 | length 2048.6
  Top Digital w10: v2(3190,1913.37) IFAT6.88@3190,1969.23
  Analog 1 w10: v4(2830,1932.37) 2849,1951.37 3152,1951.37 v2(3190,1913.37)
  Analog 2 w10: H_VSS_SYN.2@1885,1093.37 2395,1603.37 v3(2420,1603.37)
  Bottom Analog w10: H_VSS_SYN.2@1885,1093.37 1885,1006.08 1897.72,993.37 R_VSS_SYN.2@1899.57,993.37 1901.54,991.4 1901.54,905.33 C_VSS_SYN.2@1899.57,903.37 ; v3(2420,1603.37) 2420,1653.59 C3_VSS_SYN.2@2425.84,1659.43 ; C1_VSS_SYN.1@2425.25,1799.43 2425.25,1808.88 2548.74,1932.37 v4(2830,1932.37)
  Bottom Analog w15: C1_VSS_SYN.1@2425.25,1799.43 2425.54,1799.13 2425.54,1659.72 C3_VSS_SYN.2@2425.84,1659.43
VTHRESH: C1_VTHRESH.1 C2_VTHRESH.2 C3_VTHRESH.2 C_VTHRESH.2 H_VTHRESH.2 IFAT6.72 R_VTHRESH.2 | length 1711.8
  Top Digital w10: v2(2803.13,2097.39) 2803.73,2096.8 2885.27,2096.8 IFAT6.72@2885.87,2096.2
  Analog 1 w10: H_VTHRESH.2@2132.79,3149.17 2505.81,2776.16 2505.81,2440.81 v4(2505,2440)
  Bottom Analog w10: C_VTHRESH.2@1942.79,3134.61 1944.76,3132.64 2030.83,3132.64 R_VTHRESH.2@2032.79,3134.61 2032.79,3136.46 2045.51,3149.17 H_VTHRESH.2@2132.79,3149.17 ; v4(2505,2440) 2506.91,2438.09 2512.39,2438.09 2555.55,2394.92 2629.94,2394.92 C2_VTHRESH.2@2632.5,2392.36 2697.78,2392.36 C3_VTHRESH.2@2702.5,2397.09 2711.36,2397.09 2760,2348.45 2760,2140.53 v2(2803.13,2097.39)
VTHRESH_DAC: C1_VTHRESH_DAC.1 C2_VTHRESH_DAC.1 C3_VTHRESH_DAC.1 C4_VTHRESH_DAC.1 DAC4.4 H_VTHRESH.1 R_VTHRESH.1 | length 2453.6
  Analog 2 w10: v3(797.22,2644) 1033.22,2880 1963.62,2880 H_VTHRESH.1@2132.79,3049.17
  Bottom Analog w10: v3(797.22,2644) 797.22,2581.64 795.43,2579.86 795.43,2316.59 874.09,2237.94 1061.82,2237.94 1152.2,2147.55 DAC4.4@1152.2,2059.17 ; R_VTHRESH.1@2032.79,3065.71 2116.26,3065.71 H_VTHRESH.1@2132.79,3049.17
WIDTH_BIAS: C1_WBIAS.1 C2_WBIAS.2 C3_WBIAS.2 C_WIDTH_BIAS.2 H_WIDTH_BIAS.2 IFAT6.57 R_WIDTH_BIAS.1 | length 1726.5
  Top Digital w10: v2(2830.11,2391.37) 2830.17,2391.42 2885.81,2391.42 IFAT6.57@2885.87,2391.48
  Analog 1 w10: H_WIDTH_BIAS.2@1753.36,2349.65 1914.61,2510.9 2307.92,2510.9 2427.46,2391.37 v2(2830.11,2391.37)
  Bottom Analog w10: C_WIDTH_BIAS.2@1559.27,2341.09 1563.37,2345.18 R_WIDTH_BIAS.1@1649.27,2345.18 1651.51,2347.42 H_WIDTH_BIAS.2@1751.12,2347.42 ; v2(2830.11,2391.37) 2831.76,2393.02 2855.11,2393.02 2906.99,2444.9 3003.86,2444.9 3010,2438.76 3010,2432.89 3064.9,2432.89 C3_WBIAS.2@3077.5,2445.49
WIDTH_BIAS_DAC: C1_WBIAS_DAC.1 C2_WBIAS_DAC.1 C3_WBIAS_DAC.1 C4_WBIAS_DAC.1 DAC5.10 H_WIDTH_BIAS.1 R_WIDTH_BIAS.2 | length 1909
  Analog 2 w10: v3(800.51,1744.49) 1305.66,2249.65 H_WIDTH_BIAS.1@1753.36,2249.65
  Bottom Analog w10: DAC5.10@633.98,1875.83 633.98,1755.16 634.13,1755 ; C3_WBIAS_DAC.1@654.92,1427.5 654.92,1679.35 634.13,1700.14 634.13,1755 ; v3(800.51,1744.49) 644.64,1744.49 634.13,1755 ; R_WIDTH_BIAS.2@1649.27,2286.13 1716.88,2286.13 H_WIDTH_BIAS.1@1753.36,2249.65
WIDTH_BIAS_HIGH: C1_WBIAS_HI.1 C2_WBIAS_HI.2 C3_WBIAS_HI.2 C_VWIDTH_HI.2 H_VWIDTH_HI.2 IFAT6.60 R_VWIDTH_HI.2 | length 2105.3
  Top Digital w10: v2(2791.69,2333.95) 2792.46,2333.18 2885.1,2333.18 IFAT6.60@2885.87,2332.42
  Analog 1 w10: H_VWIDTH_HI.2@1753.36,1659.65 1938.71,1845 2302.74,1845 v2(2791.69,2333.95)
  Bottom Analog w10: C_VWIDTH_HI.2@1559.27,1651.09 1563.43,1655.24 1650.68,1655.24 1652.88,1657.44 1751.15,1657.44 H_VWIDTH_HI.2@1753.36,1659.65 ; v2(2791.69,2333.95) 2791.82,2333.82 2835.57,2333.82 2877.14,2292.25 2877.14,2132.56 2938.05,2071.65 2988.86,2071.65 3000.87,2059.65 3066.89,2059.65 C3_WBIAS_HI.2@3075.99,2068.75
WIDTH_BIAS_HIGH_DAC: C1_WBIAS_HI_DAC.1 C2_WBIAS_HI_DAC.1 C3_WBIAS_HI_DAC.1 C4_WBIAS_HI_DAC.1 DAC5.13 H_VWIDTH_HI.1 R_VWIDTH_HI.1 | length 2475.2
  Analog 2 w10: v3(254.64,1368.58) 286.22,1337 896.08,1337 1118.73,1559.65 H_VWIDTH_HI.1@1753.36,1559.65
  Bottom Analog w10: v3(254.64,1368.58) 254.64,1426.48 C3_WBIAS_HI_DAC.1@253.66,1427.46 255.43,1429.23 255.43,1688.36 320.06,1752.99 510.22,1752.99 557.2,1799.98 DAC5.13@557.2,1875.83 ; R_VWIDTH_HI.1@1650,1614.76 1650,1614.46 1704.81,1559.65 H_VWIDTH_HI.1@1753.36,1559.65
WIDTH_BIAS_LOW: C1_WBIAS_LO.1 C2_WBIAS_LO.2 C3_WBIAS_LO.2 C_VWIDTH_LO.2 H_VWIDTH_LO.2 IFAT6.59 R_VWIDTH_LO.2 | length 1874.9
  Top Digital w10: v2(2829.29,2352.82) 2829.64,2352.46 2885.51,2352.46 IFAT6.59@2885.87,2352.11
  Analog 1 w10: H_VWIDTH_LO.2@1753.36,1889.65 1938.71,2075 2370,2075 2382.69,2087.69 2647,2352 2647.95,2352.95 2799.29,2352.95 2799.34,2352.9 2799.61,2352.9 2799.69,2352.82 v2(2829.29,2352.82)
  Bottom Analog w10: C_VWIDTH_LO.2@1559.27,1881.09 1563.43,1885.24 R_VWIDTH_LO.2@1650,1885.24 1652.2,1887.44 1751.15,1887.44 H_VWIDTH_LO.2@1753.36,1889.65 ; v2(2829.29,2352.82) 2831.2,2350.9 2838.28,2350.9 2891.14,2298.04 2891.14,2243.56 2950.06,2184.65 3062.4,2184.65 C3_WBIAS_LO.2@3075,2197.24
WIDTH_BIAS_LOW_DAC: C1_WBIAS_LO_DAC.1 C2_WBIAS_LO_DAC.1 C3_WBIAS_LO_DAC.1 C4_WBIAS_LO_DAC.1 DAC5.12 H_VWIDTH_LO.1 R_VWIDTH_LO.1 | length 2282.5
  Analog 2 w10: v3(420.51,1364.49) 423.21,1364.49 436.71,1351 814.13,1351 1252.78,1789.65 H_VWIDTH_LO.1@1753.36,1789.65
  Bottom Analog w10: v3(420.51,1364.49) 420.51,1413.16 C3_WBIAS_LO_DAC.1@408.66,1425 410.43,1426.77 410.43,1688.36 461.06,1738.99 516.02,1738.99 582.8,1805.77 DAC5.12@582.8,1875.83 ; R_VWIDTH_LO.1@1650,1844.76 1650,1818.05 1655.86,1812.19 1730.81,1812.19 H_VWIDTH_LO.1@1753.36,1789.65
XADC_VN: J1.10 MC1.10 | length 1594.8
  Top Digital w10: v1@6490.56,1504.44 6490.56,1428.32 MC1.10@6491.27,1427.62
  Digital w6: v1@6491.05,1503.95 6492.68,1502.32 6492.68,1488.28 6703.27,1277.69 6956.16,1277.69 7549.96,683.89 7549.96,639.49 7595.14,594.31 J1.10@7597.76,594.31
  other v1: 6490,1503.56
XADC_VP: J1.12 MC1.12 | length 1498.8
  Top Digital w6: v1@6457.96,1473.53 6457.96,1429.43 MC1.12@6459.96,1427.43
  Digital w6: v1@6458.16,1475.43 6460.86,1475.43 6668.6,1267.69 6887.42,1267.69 7471.22,683.89 7471.22,639.49 7516.4,594.31 J1.12@7519.02,594.31
  other v1: 6456.29,1480
pads on no net: DAC1.7 DAC1.10 IFAT6.M1 IFAT6.M2 IFAT6.M3 IFAT6.M4 IFAT6.M5 IFAT6.M6 J3.5 J3.7 J3.8 J3.9 LDO_AVDD.5 LDO_DVDD.5 LDO_DVDD_HIGH.5 LDO_EVDD.5 LDO_VDD_1.2.5 LDO_VDD_3.3.5 LDO_VREF_1.8.5 LDO_VREF_2v.5 MC1.MH1 MC1.MH2 MC2.MH1 MC2.MH2

## Polygon pours and split planes (outlines as drawn)
DGND on Digital "DGND_L02_P095" (solid, remove dead copper, pour order 95): 4400,2000 3930,2000 3930,1593.21 4003.08,1525 4020,1525 4400,1525 4400,2005
DGND on Digital "DGND_L02_P094" (solid, remove dead copper, pour order 94): 1310,2680 1895,3265 2340,3265 2865,3790 4270,3790 4270,3511.27 4649.27,3132 4649.27,2942 3694.27,2942 3344.27,3292 2735,3292 2735,2710 4090,1355 1310,1355
+1.0VDD on Digital "+1.0VDD_L02_P104" (solid, remove dead copper, pour order 104): 0,0 8050,0 8050,4300 0,4300
DGND on Digital "DGND_L02_P093" (solid, remove dead copper, pour order 93): 315,2575 996,2575 cw(c1005,2575) 1005,2584 1021.27,2584 1873.64,3436.36 cw(c1880,3430) 1880,3439 2311.27,3439 2753.64,3881.36 2758.64,3886.36 cw(c2765,3880) 2765,3889 4250,3889 4250,4298.78 0,4300 0,0 4250,0 4255,5 4255,360 1005,360 1005,575 1100,670 1385,670 1445,730 3300,730 3400,630 4410,630 4505,725 4505,1185 925,1185 315,1795
+1.0VDD on Top Digital "+1.0VDD_L01_P097" (solid, remove dead copper, pour order 97): 0,0 8050,0 8050,4300 0,4300
DGND on Top Digital "Top Digital-DGND" (solid, remove dead copper, pour order 96): 2710,2548.64 2710,3080 2930,3300 3215,3300 3550,2965 4505,2965 4505,3155 4250,3410 4250,4298.78 0,4300 0,0 4250,0 4255,5 4255,325 1005,325 1005,575 1100,670 1385,670 1445,730 3300,730 3455,575 4355,575 4505,725 4505,1165 1010,1165 380,1795 380,2360 1060,2360 1231.09,2188.91 1231.09,1959.99 cw(c1240.04,1959.99) 1248.35,1956.65 1840,1365 4505,1365 4505,1857.27 4382.27,1980 3485,1980 2916.36,2548.64
DGND on GND "DGND_L03_P098" (solid, remove dead copper, pour order 98): 0,0 8050,0 8050,4300 0,4300
DGND on Analog 1 "DGND_L04_P099" (solid, remove dead copper, pour order 99): 0,0 8050,0 8050,4300 0,4300
DGND on Analog 2 "DGND_L05_P100" (solid, remove dead copper, pour order 100): 0,0 8050,0 8050,4300 0,4300
DGND on Bottom Analog "DGND_L06_P101" (solid, remove dead copper, pour order 101): 0,0 8050,0 8050,4300 0,4300

## Silkscreen, mask and mechanical layers (free items; w line width, h text height)
Top Overlay:
  lines w4.72: 4649.33,1059.12 7602.09,1059.12 ; 4653.96,3015.46 7601.64,3015.46
Top Designator:
  lines w10: 4448.88,3015.46 7401.64,3015.46 ; 4449.33,1059.12 7402.09,1059.12

## Text inside footprints (layer, text, board x,y; h text height)
ADC: Top Overlay "A" at 4080,2733.5 h15; Top Overlay "D" at 4080,2668.5 h15; Top Overlay "4" at 4018.5,2779.62 h15 r90; Top Overlay "1" at 4065.75,2779.62 h15 r90; Mechanical 13 "A" at 4099.63,2720.75 h15; Mechanical 13 "D" at 4099.62,2673.5 h15; Mechanical 13 "1" at 4015.75,2779.62 h15 r270; Mechanical 13 "4" at 3968.5,2779.62 h15 r270; Bottom Overlay "A" at 4090,2730 h15; Bottom Overlay "D" at 4090,2665 h15; Bottom Overlay "1" at 4015,2775 h15 r270; Bottom Overlay "4" at 3960,2775 h15 r270